# Altium PCB C1B_EVAL_DEV.PcbDoc (part 2 of 2)
Units mil, origin at the board's own origin, x right, y up, seen from the top; angles counter-clockwise.
Board outline 3492.01 x 2127.01 mil, 4 copper layers (Top Layer, GND, Power, Bottom Layer), stack 23.756 mil thick; 210 components, 128 nets, 706 pads, 413 vias.
Unrouted connection lines stored in the file: 1.
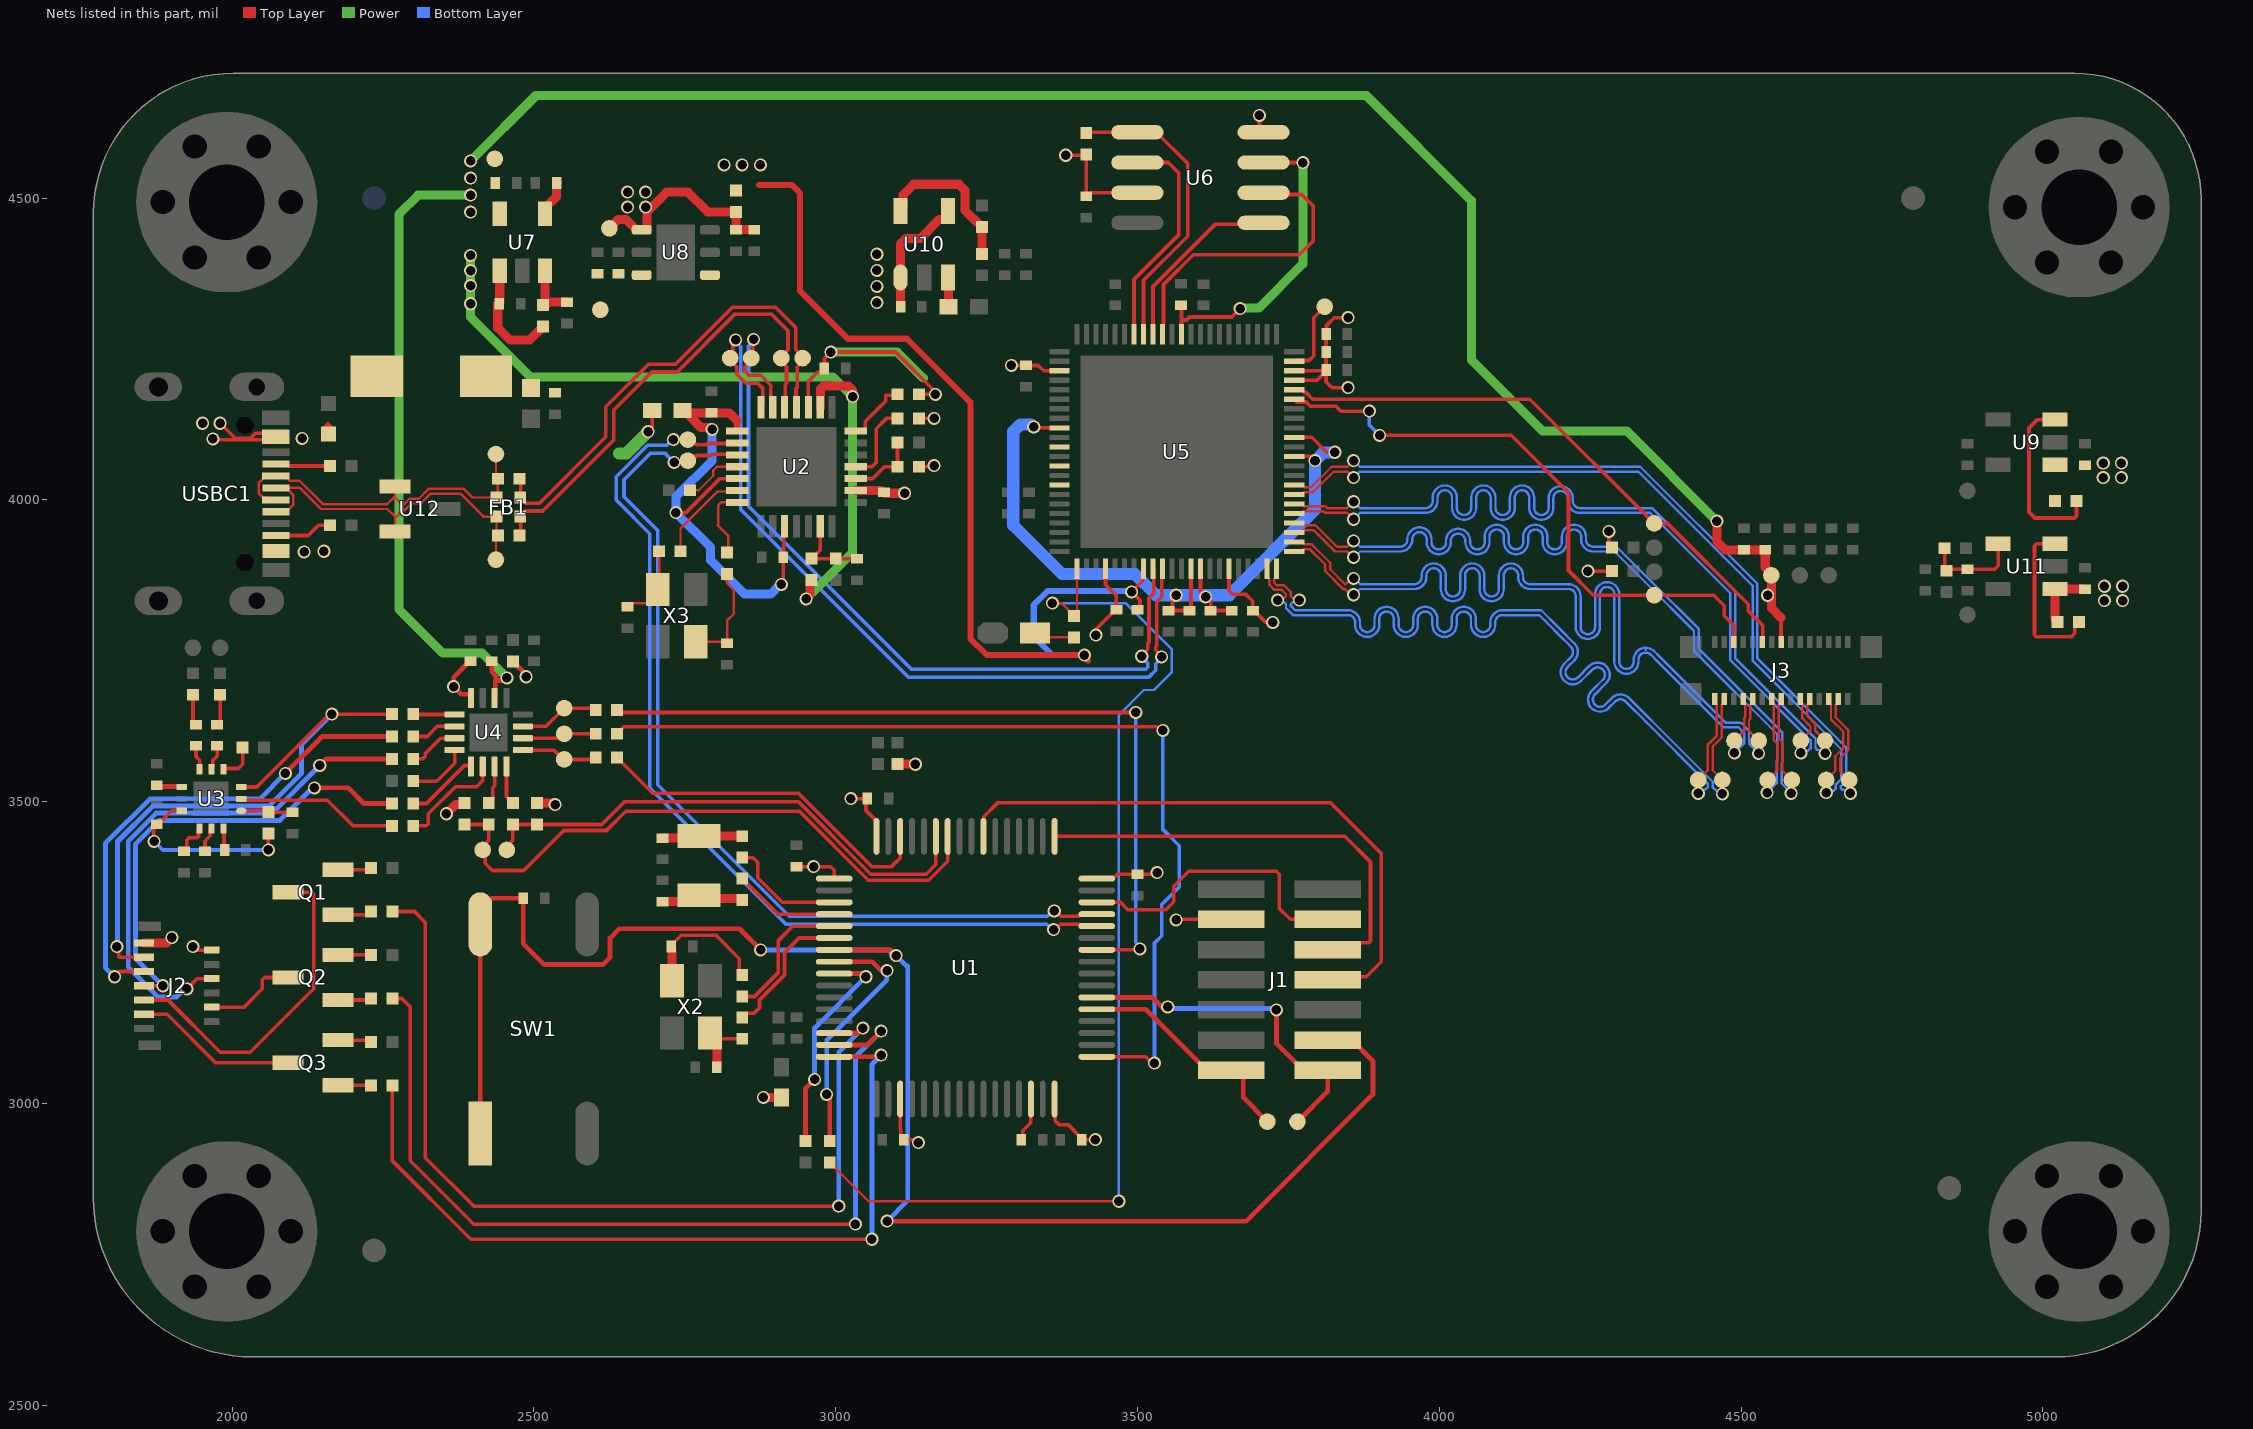
[diagram p4: the nets of this part, all layers, seen from the top]

## Via types
v1: diameter 21.65, hole 15.75, Top Layer to Bottom Layer, tented both sides, 413 vias

## Nets (pads, with @x,y where several pads share a name; then routed paths per layer and width w, separated by ;. In a path a pad name is that pad's centre, name@x,y a point inside that pad or via, vN(x,y) a via of type N, cw(c..) or ccw(c..) an arc to the next point about the centre after c; other vN are vias at no path point) (continued)
FVDD: C1.1 C8.1 C9.1 C10.1 C11.1 C13.1 C14.1 C24.1 C30.1 C32.2 C34.2 C42.1 C44.1 C46.1 C47.2 C58.1 C59.1 C64.1 C69.1 J1.3 J2.1 J2.2 L1.1 L2.1 R2.2 R11.2 R13.2 R14.1 R25.1 R28.2 R29.2 R39.2 R44.2 R45.1 R47.1 R51.1 TP33.1 U1.1 U1.19 U1.32 U1.48 U1.64 U2.16 U2.24 U3.9 U4.16 U5.3 U5.26 U5.36 U5.77 U6.3 U6.7 U6.8 U8.4 U9.1 U11.1 | length 3498.3
  Top Layer w6: v1(1870.74,3434.26) 1870,3435 1870,3457.41 1874.87,3462.28 C24.1@1875,3462.28 1876.97,3462.28 1899.68,3485 U3.9@1916.57,3485 ; v1(1935,3260) 1940.94,3254.06 J2.2@1966.1,3254.06 ; v1(2060,3420) R25.1@2060,3447.28 ; v1(2689,4113) 2696,4120 L2.1@2696,4148 ; C1.1@2935,3392.28 2991.68,3392.28 2997.48,3386.49 U1.1@2997.48,3372.64 ; U2.24@2954.68,4153.43 2954.68,4196.69 2969.42,4211.42 2976.41,4211.42 2981.28,4216.29 C13.1@2981.28,4218 2981.28,4234.28 v1(2992,4245) 3099,4245 3165,4179 v1(3165,4175) R11.2@3137.72,4175 ; v1(3025,3505) C9.1@3052.28,3505 3050,3502.72 3050,3485.47 3067.36,3468.11 U1.64@3067.36,3442.52 ; U1.19@3106.73,3007.48 3106.73,2958.27 3107.84,2957.16 3107.84,2944.87 C11.1@3112.72,2940 3132,2940 v1(3137,2935) ; R14.1@3137.72,4055 3161,4055 v1(3163,4057) ; R13.2@3137.72,4135 v1(3163,4135) ; v1(3291,4223) 3291.29,4222.71 C34.2@3315,4222.71 3335.55,4222.71 3344.41,4213.86 U5.3@3370.71,4213.86 ; U1.32@3362.64,3007.48 3363.37,3006.75 3363.37,2971.63 3370,2965 3384.68,2965 3407.72,2941.97 C10.1@3407.72,2940 v1(3430,2940) ; v1(3381,4571) 3413.72,4571 R44.2@3415,4572.28 C47.2@3415,4502.71 3416.97,4502.71 3423.33,4509.07 U6.3@3499.7,4509.07 ; v1(3431,3776) 3431,3785.68 3463.03,3817.72 C44.1@3465,3817.72 ; U1.48@3432.52,3372.64 3459.15,3372.64 3466.51,3380 C8.1@3500,3380 3530,3380 v1(3532.5,3382.5) ; U5.26@3446.89,3885.71 3446.89,3859.41 3465,3841.3 C44.1@3465,3822.72 ; v1(3564,3304) 3565,3305 J1.3@3655,3305 ; C32.2@3572,4322.57 3572.87,4321.69 3572.87,4297.99 ; U5.77@3572.87,4274.29 3572.87,4297.99 ; U5.36@3604.37,3885.71 3604.37,3847.63 3621,3831 C42.1@3621,3816.72 C46.1@3656,3816.72 ; v1(3670,4317) 3656,4303 3586.17,4303 3581.16,4297.99 3572.87,4297.99 ; v1(3702,4637) 3702,4615.75 U6.8@3708.68,4609.07 ; U6.7@3708.68,4559.07 3773.93,4559.07 v1(3774,4559)
  Top Layer w8: C30.1@2395,3732.28 2393.03,3732.28 2367,3706.25 v1(2367,3690.69) 2379.69,3678 2394.35,3678 2395.47,3676.88 U4.16@2395.47,3671.5 ; R39.2@2465,3732.28 2487,3710.28 v1(2487,3707)
  Top Layer w15: J2.1@1853.9,3265.87 1890.87,3265.87 v1(1900,3275) ; v1(2355,3480) 2370.38,3495.38 2382.66,3495.38 R28.2@2385,3497.72 ; R29.2@2505,3497.72 2532.28,3497.72 v1(2535,3495) ; TP33.1@2625,4450 2639.91,4464.91 2652.34,4464.91 2669.47,4447.78 2686.79,4447.78 2687.17,4447.4 2687.54,4447.78 2687.54,4477.54 2720,4510 2755,4510 2787.72,4477.28 R45.1@2835,4477.28 C58.1@2835,4447.72 C59.1@2865,4447.72 ; v1(2880,3010) L1.1@2910,3010 ; U2.16@3033.43,4015.63 3075.12,4015.63 3078.03,4012.72 C14.1@3080,4012.72 3081.72,4011 v1(3114,4011) 3107,4011 v1@3106,4012 ; R2.2@3102,3562.28 3131.72,3562.28 v1(3132,3562) ; R51.1@5024.28,3798 5020.33,3801.95 U11.1@5020.33,3852.6 5020.49,3852.44 5069.84,3852.44 C69.1@5070,3852.28
  Power w15: v1(2992,4245) 3101.86,4245 3145.22,4201.64 ; v1(3670,4317) 3671.27,4318.27 3701.27,4318.27 3774,4391 v1(3774,4559)
  Power w20: 2641,4077 2653,4077 v1(2689,4113)
  Bottom Layer w6: v1(1870.74,3434.26) 1885,3420 v1(2060,3420)
  other v1: 2963.34,3392.28 5102,3833 5132,3833 3612.69,3839.32 5102,3857 5132,3857 5100,4037 5130,4037 5100,4061 5130,4061 2655,4485 2685,4485 2655,4510 2685,4510
GPIO1: U5.13
GPIO3_RX: U5.15
HSI_OSC_IN: R8.2 U1.5 | length 231.9
  Top Layer w6: R8.2@2845,3177.28 2865.42,3177.28 2905,3216.86 2905,3270 2928.9,3293.9 U1.5@2997.48,3293.9
HSI_OSC_OUT: R7.1 U1.6 | length 236.2
  Top Layer w6: R7.1@2845,3142.72 2851.84,3149.57 2864.57,3149.57 2873.64,3158.64 2873.64,3171.36 2915,3212.72 2915,3250 2939.21,3274.21 U1.6@2997.48,3274.21
HUB1_D_N: 1DN.1 U2.27 U5.31 | length 1380.1
  Top Layer w6: v1(2864,4266) 2862,4264 2862,4237 1DN.1@2860,4235 2860,4231.71 2849,4220.71 2849,4213.78 2856.31,4206.48 2875.79,4206.48 2892.29,4189.97 2892.29,4172.64 2892.72,4172.2 2892.72,4156.33 U2.27@2895.63,4153.43 ; v1(3507,3741) 3507,3742.32 3517.03,3752.34 3517.03,3762.09 3519,3764.07 3519,3836.9 3527,3844.9 3527,3869.07 3526.96,3869.12 3526.96,3884.38 U5.31@3525.63,3885.71
  Bottom Layer w6: v1(2864,4266) 2864,4263.16 2855.5,4254.66 2855.5,3989.5 3006,3839 3125.55,3719.45 3513.49,3719.45 3517,3722.96 3517,3729.66 3507,3739.66 v1(3507,3741)
HUB1_D_P: 1DP.1 U2.28 U5.32 | length 1423.2
  Top Layer w6: v1(2834,4265) 2834,4260.76 2829.13,4255.89 2829.13,4239.13 1DP.1@2825,4235 2825,4231.71 2836,4220.71 2836,4208.4 2850.92,4193.48 2870.4,4193.48 2879.29,4184.59 2879.29,4172.64 2878.85,4172.2 2878.85,4156.33 U2.28@2875.94,4153.43 ; v1(3540,3740) 3540,3741.37 3530.02,3751.34 3530.02,3756.71 3532,3758.68 3532,3831.51 3540,3839.52 3540,3869.07 3540.05,3869.12 3540.05,3884.38 U5.32@3541.38,3885.71
  Bottom Layer w6: v1(2834,4265) 2834,4262.16 2842.5,4253.66 2842.5,3984.12 2992.21,3834.4 3120.17,3706.45 3518.87,3706.45 3530,3717.58 3530,3728.66 3540,3738.66 v1(3540,3740)
HUB2_D_N: 2DM.1 U1.44 U2.2 | length 1588.5
  Top Layer w6: 2DM.1@2755,4100 2760.79,4100 2769.29,4091.5 2785.77,4091.5 2787.8,4093.53 2835.73,4093.53 U2.2@2836.57,4094.37 ; v1(3361,3288) 3363.34,3288 3372.34,3297 3392.77,3297 3393.01,3297.24 3402.55,3297.24 3405.89,3293.9 U1.44@3432.52,3293.9
  Bottom Layer w6: v1(2731,4100) 2729.05,4100 2719.66,4090.61 2688.23,4090.61 2636.19,4038.58 2636.19,3999.81 2640,3996 2692,3944 2692,3522.62 2917.62,3297 3349.66,3297 3358.66,3288 v1(3361,3288)
HUB2_D_P: 2DP.1 U1.45 U2.3 | length 1540.5
  Top Layer w6: 2DP.1@2755,4065 2760.79,4065 2769.29,4073.5 2793.23,4073.5 2795.26,4075.53 2835.73,4075.53 U2.3@2836.57,4074.68 ; v1(3362,3319) 3364.34,3319 3373.34,3310 3387.38,3310 3387.62,3310.24 3402.55,3310.24 3405.89,3313.58 U1.45@3432.52,3313.58
  Bottom Layer w6: v1@2725.75,4068.25 2720.52,4073.48 2720.52,4074.1 2717,4077.61 2693.61,4077.61 2649.19,4033.19 2649.19,4005.19 2705,3949.38 2705,3528 2923,3310 3350.66,3310 3359.66,3319 v1(3362,3319)
  other v1: 2732,4062
HUB_OSC_IN: R12.2 U2.6 | length 157.6
  Top Layer w4: R12.2@2742.72,3915 2742.72,3952.72 2804,4014 2834.94,4014 U2.6@2836.57,4015.63
HUB_OSC_OUT: R10.1 U2.7 | length 120.1
  Top Layer w4: R10.1@2820,3912.72 2822,3914.72 2822,3940 2804.66,3957.34 2804.66,3958.66 2805,3959 2805,3991 2809.94,3995.94 U2.7@2836.57,3995.94
I2C1_SCL: R28.1 R38.1 SCL.1 U1.58 | length 1023.5
  Top Layer w6: R28.1@2385,3462.28 R38.1@2425,3462.28 2425,3435.83 2415,3425.83 SCL.1@2415,3420 2419.13,3415.87 2419.13,3397.87 2431,3386 2483,3386 2549.28,3452.28 2620.28,3452.28 2652,3484 2940,3484 3054,3370 3154.14,3370 3185.47,3401.33 U1.58@3185.47,3442.52
I2C1_SDA: R29.1 R40.1 SDA.1@2455,3420 U1.59 | length 865.8
  Top Layer w6: SDA.1@2455,3420 2455,3425.83 2465,3435.83 R40.1@2465,3462.28 R29.1@2505,3462.28 2612.28,3462.28 2650,3500 2938.14,3500 3058.14,3380 3150,3380 3165.79,3395.79 U1.59@3165.79,3442.52
LED_B: J2.11 Q3.3 | length 271.6
  Top Layer w6: J2.11@1853.9,3147.76 1892.24,3147.76 1972.4,3067.6 Q3.3@2092.32,3067.6
LED_B_PWM: R23.1 U1.16 | length 1363.5
  Top Layer w6: R23.1@2265.44,3030 2265.44,2904.56 2395,2775 v1(3060,2775)
  Top Layer w8: U1.16@2997.48,3077.36 3072.36,3077.36 v1(3075,3080)
  Bottom Layer w8: v1(3060,2775) 3060,3065 v1(3075,3080)
LED_G: J2.10 Q2.3 | length 155.4
  Top Layer w6: J2.10@1966.1,3159.57 2019.57,3159.57 2050,3190 2050,3205 2053.8,3208.8 Q2.3@2092.32,3208.8
LED_G_PWM: R21.1 U1.15 | length 1496.1
  Top Layer w6: R21.1@2265.44,3174 2281,3174 2295,3160 2295,2905 2400,2800 v1(3032.66,2800)
  Top Layer w8: U1.15@2997.48,3097.05 3052.05,3097.05 v1(3075,3120)
  Bottom Layer w8: v1(3032.66,2800) 3032.66,3077.66 v1(3075,3120)
LED_R: J2.9 Q1.3 | length 561
  Top Layer w6: J2.9@1853.9,3171.38 1893.62,3171.38 1980,3085 2030,3085 2135,3190 2135,3346.49 2131.49,3350 Q1.3@2092.32,3350
LED_R_PWM: R19.1 U1.14 | length 1532.7
  Top Layer w6: R19.1@2265.44,3318 2302,3318 2320,3300 2320,2910 2400,2830 v1(3005,2830)
  Top Layer w8: U1.14@2997.48,3116.73 3036.73,3116.73 v1(3045,3125)
  Bottom Layer w8: v1(3005,2830) 3005,3085 v1(3045,3125)
LOOPBACK_R_N: C26.2 R58.1 | length 51.7
  Top Layer w6: R58.1@1935,3677.28 1935,3632.59 1939.87,3627.71 C26.2@1940,3627.71
LOOPBACK_R_P: C27.2 R56.1 | length 51.7
  Top Layer w6: C27.2@1975,3627.71 1975.13,3627.71 1980,3632.59 R56.1@1980,3677.28
LSI_OSC_IN: R5.1 U1.3 | length 198.1
  Top Layer w6: R5.1@2845,3407.28 2862.72,3407.28 2870.5,3399.5 2870.5,3373.99 2911.23,3333.27 U1.3@2997.48,3333.27
LSI_OSC_OUT: R6.1 U1.4 | length 177
  Top Layer w6: R6.1@2845,3372.72 2904.14,3313.58 U1.4@2997.48,3313.58
MIPI_CSI_CLK0: CLK.1 J3.21 U5.62 | length 972.9
  Top Layer w6: U5.62@3759.29,4182.36 3771.89,4182.36 3776.31,4177.94 3779.12,4177.94 3790.06,4167 4150,4167 CLK.1@4356,3961 4378,3961 4512,3827 4512,3816 4536,3792 4536,3765.72 J3.21@4534.76,3764.49
MIPI_CSI_RX0_CLK_N: clk-.1 J3.9 U5.47 | length 1459.1
  Top Layer w4: U5.47@3759.29,3946.14 3771.89,3946.14 3775.76,3950.02 3791.57,3950.02 3827.09,3914.5 3847.02,3914.5 3856.52,3905 v1(3858,3905) ; clk-.1@4544,3536 4560,3552 4560,3596.19 4554.39,3601.81 4554.39,3660.81 4550.51,3664.69 J3.9@4550.51,3670
  Bottom Layer w4: v1(3858,3905) 3859.48,3905 3868.98,3914.5 3883,3914.5 3935.05,3914.5 ccw(c3935.05,3934.5) 3955.05,3934.5 cw(c3967.05,3934.5) 3979.05,3934.5 3979.05,3930 ccw(c3999.05,3930) 4019.05,3930 4019.05,3932.17 cw(c4031.05,3932.17) 4043.05,3932.17 4043.05,3930 ccw(c4063.05,3930) 4083.05,3930 4083.05,3939 cw(c4095.05,3939) 4107.05,3939 4107.05,3930 ccw(c4127.05,3930) 4147.05,3930 4147.05,3939 cw(c4159.05,3939) 4171.05,3939 4171.05,3930 ccw(c4191.05,3930) 4211.05,3930 4211.05,3939 cw(c4223.05,3939) 4235.05,3939 4235.05,3934.5 ccw(c4255.05,3934.5) 4255.05,3914.5 4290.19,3914.5 4293.05,3911.64 4340.34,3864.34 4422,3782.69 4422,3749.69 4559.84,3611.84 4559.84,3567.59 4559,3566.75 4559,3530.5 4543.5,3515 v1(4543,3515)
MIPI_CSI_RX0_CLK_P: clk+.1 J3.8 U5.48 | length 1473.1
  Top Layer w4: U5.48@3759.29,3961.89 3771.89,3961.89 3775.76,3958.02 3794.89,3958.02 3830.4,3922.5 3847.02,3922.5 3856.52,3932 v1(3858,3932) ; J3.8@4566.26,3670 4566.26,3664.69 4562.39,3660.81 4562.39,3605.12 4568,3599.51 4568,3552 clk+.1@4584,3536
  Bottom Layer w4: v1(3858,3932) 3859.48,3932 3868.98,3922.5 3883,3922.5 3935.05,3922.5 ccw(c3935.05,3934.5) 3947.05,3934.5 cw(c3967.05,3934.5) 3987.05,3934.5 3987.05,3930 ccw(c3999.05,3930) 4011.05,3930 4011.05,3932.17 cw(c4031.05,3932.17) 4051.05,3932.17 4051.05,3930 ccw(c4063.05,3930) 4075.05,3930 4075.05,3939 cw(c4095.05,3939) 4115.05,3939 4115.05,3930 ccw(c4127.05,3930) 4139.05,3930 4139.05,3939 cw(c4159.05,3939) 4179.05,3939 4179.05,3930 ccw(c4191.05,3930) 4203.05,3930 4203.05,3939 cw(c4223.05,3939) 4243.05,3939 4243.05,3934.5 ccw(c4255.05,3934.5) 4255.05,3922.5 4293.05,3922.5 4293.5,3922.5 4351.66,3864.34 4430,3786 4430,3753 4560,3623 4563.16,3619.84 4567.84,3615.16 4567.84,3564.28 4567,3563.44 4567,3530.5 4583,3514.5 v1(4583,3514)
MIPI_CSI_RX0_D0_N: 0-.1 J3.6 U5.49 | length 1459.8
  Top Layer w4: U5.49@3759.29,3977.64 3771.89,3977.64 3775.76,3981.51 3807.83,3981.51 3810.84,3978.5 3847.5,3978.5 v1(3858,3968) ; J3.6@4597.76,3670 4597.76,3664.69 4601.63,3660.81 4601.63,3638.25 4615,3624.88 4615,3617.13 0-.1@4599,3601.13
  Bottom Layer w4: v1(3858,3968) 3868.5,3978.5 3971,3978.5 3977,3978.5 ccw(c3977,3998.5) 3997,3998.5 3997,4003.93 cw(c4009,4003.93) 4021,4003.93 4021,3987 ccw(c4041,3987) 4061,3987 4061,4003.93 cw(c4073,4003.93) 4085,4003.93 4085,3987 ccw(c4105,3987) 4125,3987 4125,4003.93 cw(c4137,4003.93) 4149,4003.93 4149,3987 ccw(c4169,3987) 4189,3987 4189,4002.82 cw(c4201,4002.82) 4213,4002.82 4213,3998.5 ccw(c4233,3998.5) 4233,3978.5 4276.29,3978.5 4349.19,3978.5 4388.34,3939.34 4482,3845.69 4482,3734.69 4615.21,3601.48 4615.21,3588.7 4610.88,3584.38 4602.38,3584.38 v1(4599,3581)
MIPI_CSI_RX0_D0_P: 0+.1 J3.5 U5.50 | length 1473.1
  Top Layer w4: U5.50@3759.29,3993.39 3771.89,3993.39 3775.76,3989.51 3811.14,3989.51 3814.15,3986.5 3847.5,3986.5 v1(3858,3997) ; J3.5@4613.5,3670 4613.5,3664.69 4609.63,3660.81 4609.63,3641.56 4623,3628.19 4623,3617.13 0+.1@4639,3601.13
  Bottom Layer w4: v1(3858,3997) 3868.5,3986.5 3971,3986.5 3977,3986.5 ccw(c3977,3998.5) 3989,3998.5 3989,4003.93 cw(c4009,4003.93) 4029,4003.93 4029,3987 ccw(c4041,3987) 4053,3987 4053,4003.93 cw(c4073,4003.93) 4093,4003.93 4093,3987 ccw(c4105,3987) 4117,3987 4117,4003.93 cw(c4137,4003.93) 4157,4003.93 4157,3987 ccw(c4169,3987) 4181,3987 4181,4002.82 cw(c4201,4002.82) 4221,4002.82 4221,3998.5 ccw(c4233,3998.5) 4233,3986.5 4276.29,3986.5 4352.5,3986.5 4399.66,3939.34 4490,3849 4490,3738 4623.21,3604.79 4623.21,3588.7 4625.55,3586.36 4627.86,3586.36 4634.22,3580 v1(4639,3580)
MIPI_CSI_RX0_D1_N: 1-.1 J3.12 U5.45 | length 1458.9
  Top Layer w4: U5.45@3759.29,3914.65 3771.89,3914.65 3775.76,3918.52 3785.16,3918.52 3811.17,3892.51 3811.17,3881.72 3841.03,3851.86 3844.19,3851.86 3853.22,3842.83 v1(3858,3842.83) ; 1-.1@4489,3601.13 4505,3617.13 4505,3638.49 4507.14,3640.63 4507.14,3660.81 4503.27,3664.69 J3.12@4503.27,3670
  Bottom Layer w4: v1(3858,3842.83) 3859.31,3842.83 3868.9,3852.41 3900,3852.41 3958.63,3852.41 ccw(c3958.63,3872.41) 3978.63,3872.41 3978.63,3874.69 cw(c3990.63,3874.69) 4002.63,3874.69 4002.63,3852 ccw(c4022.63,3852) 4042.63,3852 4042.63,3874.69 cw(c4054.63,3874.69) 4066.63,3874.69 4066.63,3852 ccw(c4086.63,3852) 4106.63,3852 4106.63,3874.69 cw(c4118.63,3874.69) 4130.63,3874.69 4130.63,3872.41 ccw(c4150.63,3872.41) 4150.63,3852.41 4188.63,3852.41 4189,3852.41 4214,3852.41 cw(c4214,3840.41) 4226,3840.41 4226,3789.58 ccw(c4246,3789.58) 4246,3769.58 ccw(c4246,3789.58) 4266,3789.58 4266,3843.65 cw(c4278,3843.65) 4278,3855.65 cw(c4278,3843.65) 4290,3843.65 4290,3732.05 ccw(c4310,3732.05) 4310,3712.05 ccw(c4310,3732.05) 4330,3732.05 4330,3735.03 cw(c4342,3735.03) 4350.52,3743.48 4364,3730 4460.31,3633.69 4471,3623 4496,3623 4505,3614 4505,3596.5 4489.5,3581 v1(4489,3581)
MIPI_CSI_RX0_D1_P: 1+.1 J3.11 U5.46 | length 1472.9
  Top Layer w4: U5.46@3759.29,3930.39 3771.89,3930.39 3775.76,3926.52 3788.48,3926.52 3819.17,3895.83 3819.17,3885.04 3844.2,3860 3854.2,3870 v1(3858,3870) ; J3.11@4519.02,3670 4519.02,3664.69 4515.14,3660.81 4515.14,3637.32 4513,3635.18 4513,3617.13 1+.1@4529,3601.13
  Bottom Layer w4: v1(3858,3870) 3859.31,3870 3868.9,3860.41 3900,3860.41 3958.63,3860.41 ccw(c3958.63,3872.41) 3970.63,3872.41 3970.63,3874.69 cw(c3990.63,3874.69) 4010.63,3874.69 4010.63,3852 ccw(c4022.63,3852) 4034.63,3852 4034.63,3874.69 cw(c4054.63,3874.69) 4074.63,3874.69 4074.63,3852 ccw(c4086.63,3852) 4098.63,3852 4098.63,3874.69 cw(c4118.63,3874.69) 4138.63,3874.69 4138.63,3872.41 ccw(c4150.63,3872.41) 4150.63,3860.41 4188.63,3860.41 4189,3860.41 4214,3860.41 cw(c4214,3840.41) 4234,3840.41 4234,3789.58 ccw(c4246,3789.58) 4246,3777.58 ccw(c4246,3789.58) 4258,3789.58 4258,3843.65 cw(c4278,3843.65) 4278,3863.65 cw(c4278,3843.65) 4298,3843.65 4298,3732.05 ccw(c4310,3732.05) 4310,3720.05 ccw(c4310,3732.05) 4322,3732.05 4322,3735.03 cw(c4342,3735.03) 4354.86,3750.34 4354.97,3750.34 4356.12,3749.19 cw(c4342,3735.03) 4356.16,3749.15 4364,3741.31 4468.31,3637 4474.31,3631 4499.31,3631 4513,3617.31 4513,3596.5 4529,3580.5 v1(4529,3580)
MIPI_CSI_RX0_D2_N: 2-.1 J3.3 U5.51 | length 1437.1
  Top Layer w4: U5.51@3759.29,4009.13 3771.89,4009.13 3775.76,4013.01 3790.96,4013.01 3824.96,4047 3847.52,4047 3857.52,4037 v1(3858,4037) ; 2-.1@4640.82,3536 4655.91,3551.09 4655.91,3575.22 4669.34,3588.66 4669.34,3615.82 4648.87,3636.29 4648.87,3660.81 4645,3664.69 J3.3@4645,3670
  Bottom Layer w4: v1(3858,4037) 3858.48,4037 3868.48,4047 4329.69,4047 4519,3857.69 4519,3734 4666,3587 4666,3537.75 4657,3528.75 4657,3522.12 4653.26,3518.38 4644.38,3518.38 v1(4641,3515)
MIPI_CSI_RX0_D2_P: 2+.1 J3.2 U5.52 | length 1450.8
  Top Layer w4: U5.52@3759.29,4024.88 3771.89,4024.88 3775.76,4021.01 3787.65,4021.01 3821.64,4055 3847.52,4055 3857.52,4065 v1(3858,4065) ; J3.2@4660.75,3670 4660.75,3664.69 4656.87,3660.81 4656.87,3639.6 4677.34,3619.13 4677.34,3585.34 4663.91,3571.91 4663.91,3551.09 2+.1@4679,3536
  Bottom Layer w4: v1(3858,4065) 3858.48,4065 3868.48,4055 4333,4055 4527,3861 4527,3737.31 4674,3590.31 4674,3534.44 4665,3525.44 4665,3522.12 4667.34,3519.78 4670.44,3519.78 4676.22,3514 v1(4681,3514)
MIPI_CSI_RX0_D3_N: 3-.1 J3.15 U5.43 | length 1458.7
  Top Layer w4: U5.43@3714.61,3885.71 3714.61,3873.11 3718.48,3869.24 3718.48,3859.47 3727.12,3850.83 3738.97,3850.83 3746,3843.8 3746,3840.48 3742.89,3837.38 ; 3-.1@4429.01,3536 4445,3552 4445,3594.87 4459.9,3609.76 4459.9,3660.81 4456.02,3664.69 J3.15@4456.02,3670
  Bottom Layer w4: v1(3732,3834) 3735.38,3830.62 3742.89,3830.62 3746,3827.52 3746,3820.89 3757.72,3809.17 3796.35,3809.17 3848.53,3809.17 cw(c3848.53,3797.17) 3860.53,3797.17 3860.53,3792.96 ccw(c3880.53,3792.96) 3900.53,3792.96 3900.53,3803 cw(c3912.53,3803) 3924.53,3803 3924.53,3792.96 ccw(c3944.53,3792.96) 3964.53,3792.96 3964.53,3803 cw(c3976.53,3803) 3988.53,3803 3988.53,3792.96 ccw(c4008.53,3792.96) 4028.53,3792.96 4028.53,3803 cw(c4040.53,3803) 4052.53,3803 4052.53,3792.96 ccw(c4072.53,3792.96) 4092.53,3792.96 4092.53,3797.17 cw(c4104.53,3797.17) 4104.53,3809.17 4110.53,3809.17 4165.51,3809.17 4191.13,3783.56 4194.2,3780.49 4217.96,3756.72 cw(c4209.51,3748.2) 4217.98,3739.7 4206.94,3728.65 ccw(c4221.06,3714.49) 4206.92,3700.35 ccw(c4221.06,3714.49) 4235.22,3700.36 4253.86,3719 ; 4253.88,3719.03 cw(c4262.37,3710.54) 4270.83,3719.05 ; 4270.87,3719.01 cw(c4262.37,3710.54) 4270.85,3702.06 4252.19,3683.4 ccw(c4266.31,3669.23) 4252.17,3655.09 ccw(c4266.31,3669.23) 4280.47,3655.11 ; 4280.48,3655.12 4291.52,3666.15 cw(c4300.02,3657.69) 4308.54,3666.15 4342.34,3632.35 4345.41,3629.28 4439.34,3535.34 4445,3529.69 4445,3524.03 4442.66,3521.69 4441.46,3521.69 4433.78,3514 v1(4429,3514)
MIPI_CSI_RX0_D3_P: 3+.1 J3.14 U5.44 | length 1459.2
  Top Layer w4: U5.44@3730.35,3885.71 3730.35,3873.11 3726.48,3869.24 3726.48,3862.78 3730.43,3858.83 3742.28,3858.83 3754,3847.11 3754,3840.48 3757.11,3837.38 ; 3+.1@4469,3536 4453,3552 4453,3591.55 4467.9,3606.45 4467.9,3660.81 4471.77,3664.69 J3.14@4471.77,3670
  Bottom Layer w4: v1(3768,3834) 3764.62,3830.62 3757.11,3830.62 3754,3827.52 3754,3824.2 3761.03,3817.17 3796.35,3817.17 3848.53,3817.17 cw(c3848.53,3797.17) 3868.53,3797.17 3868.53,3792.96 ccw(c3880.53,3792.96) 3892.53,3792.96 3892.53,3803 cw(c3912.53,3803) 3932.53,3803 3932.53,3792.96 ccw(c3944.53,3792.96) 3956.53,3792.96 3956.53,3803 cw(c3976.53,3803) 3996.53,3803 3996.53,3792.96 ccw(c4008.53,3792.96) 4020.53,3792.96 4020.53,3803 cw(c4040.53,3803) 4060.53,3803 4060.53,3792.96 ccw(c4072.53,3792.96) 4084.53,3792.96 4084.53,3797.17 cw(c4104.53,3797.17) 4104.53,3817.17 4110.53,3817.17 4168.83,3817.17 4196.79,3789.21 4199.86,3786.14 4223.64,3762.36 cw(c4209.51,3748.2) 4223.68,3762.32 4224.83,3761.17 4224.83,3761.06 cw(c4209.51,3748.2) 4223.64,3734.04 4212.6,3723 ; 4212.56,3706.02 cw(c4221.06,3714.49) 4212.57,3722.97 ; 4212.59,3705.99 ccw(c4221.06,3714.49) 4229.54,3706 ; 4229.57,3706.03 4248.2,3724.66 cw(c4262.37,3710.54) 4276.51,3724.68 cw(c4262.37,3710.54) 4276.49,3696.39 4257.85,3677.74 ; 4257.81,3660.76 cw(c4266.31,3669.23) 4257.83,3677.72 ; 4257.84,3660.74 ccw(c4266.31,3669.23) 4274.8,3660.75 4285.86,3671.81 cw(c4300.02,3657.69) 4312.89,3673.01 4312.99,3673.01 4314.15,3671.85 cw(c4300.02,3657.69) 4314.19,3671.81 4347.99,3638.01 4351.07,3634.93 4453,3533 4453,3524.03 4455.34,3521.69 4455.54,3521.69 4464.22,3513 v1(4469,3513)
MIPI_RX0_RST: J3.18 RST.1 U5.61 | length 1009.9
  Top Layer w6: U5.61@3759.29,4166.61 3763.71,4162.2 3779.12,4162.2 3786.2,4155.12 3828.92,4155.12 3837.04,4147 v1(3884,4147) ; v1(3901,4107) 4119,4107 4214,4012 4214,3883 4255,3842 RST.1@4356,3842 4454.57,3842 4472,3824.57 4472,3807.93 4487.52,3792.41 J3.18@4487.52,3764.49